# Altium PCB as14120_all_1.PcbDoc (part 1 of 2)
Units mm, origin at the board's own origin, x right, y up, seen from the top; angles counter-clockwise.
Board outline 130 x 100 mm, 6 copper layers (Top Layer, GND1, Signal_Power, Signal_midle, GND2, Bottom Layer), stack 0.963 mm thick; 374 components, 340 nets, 2183 pads, 100 vias.
Unrouted connection lines stored in the file: 951.
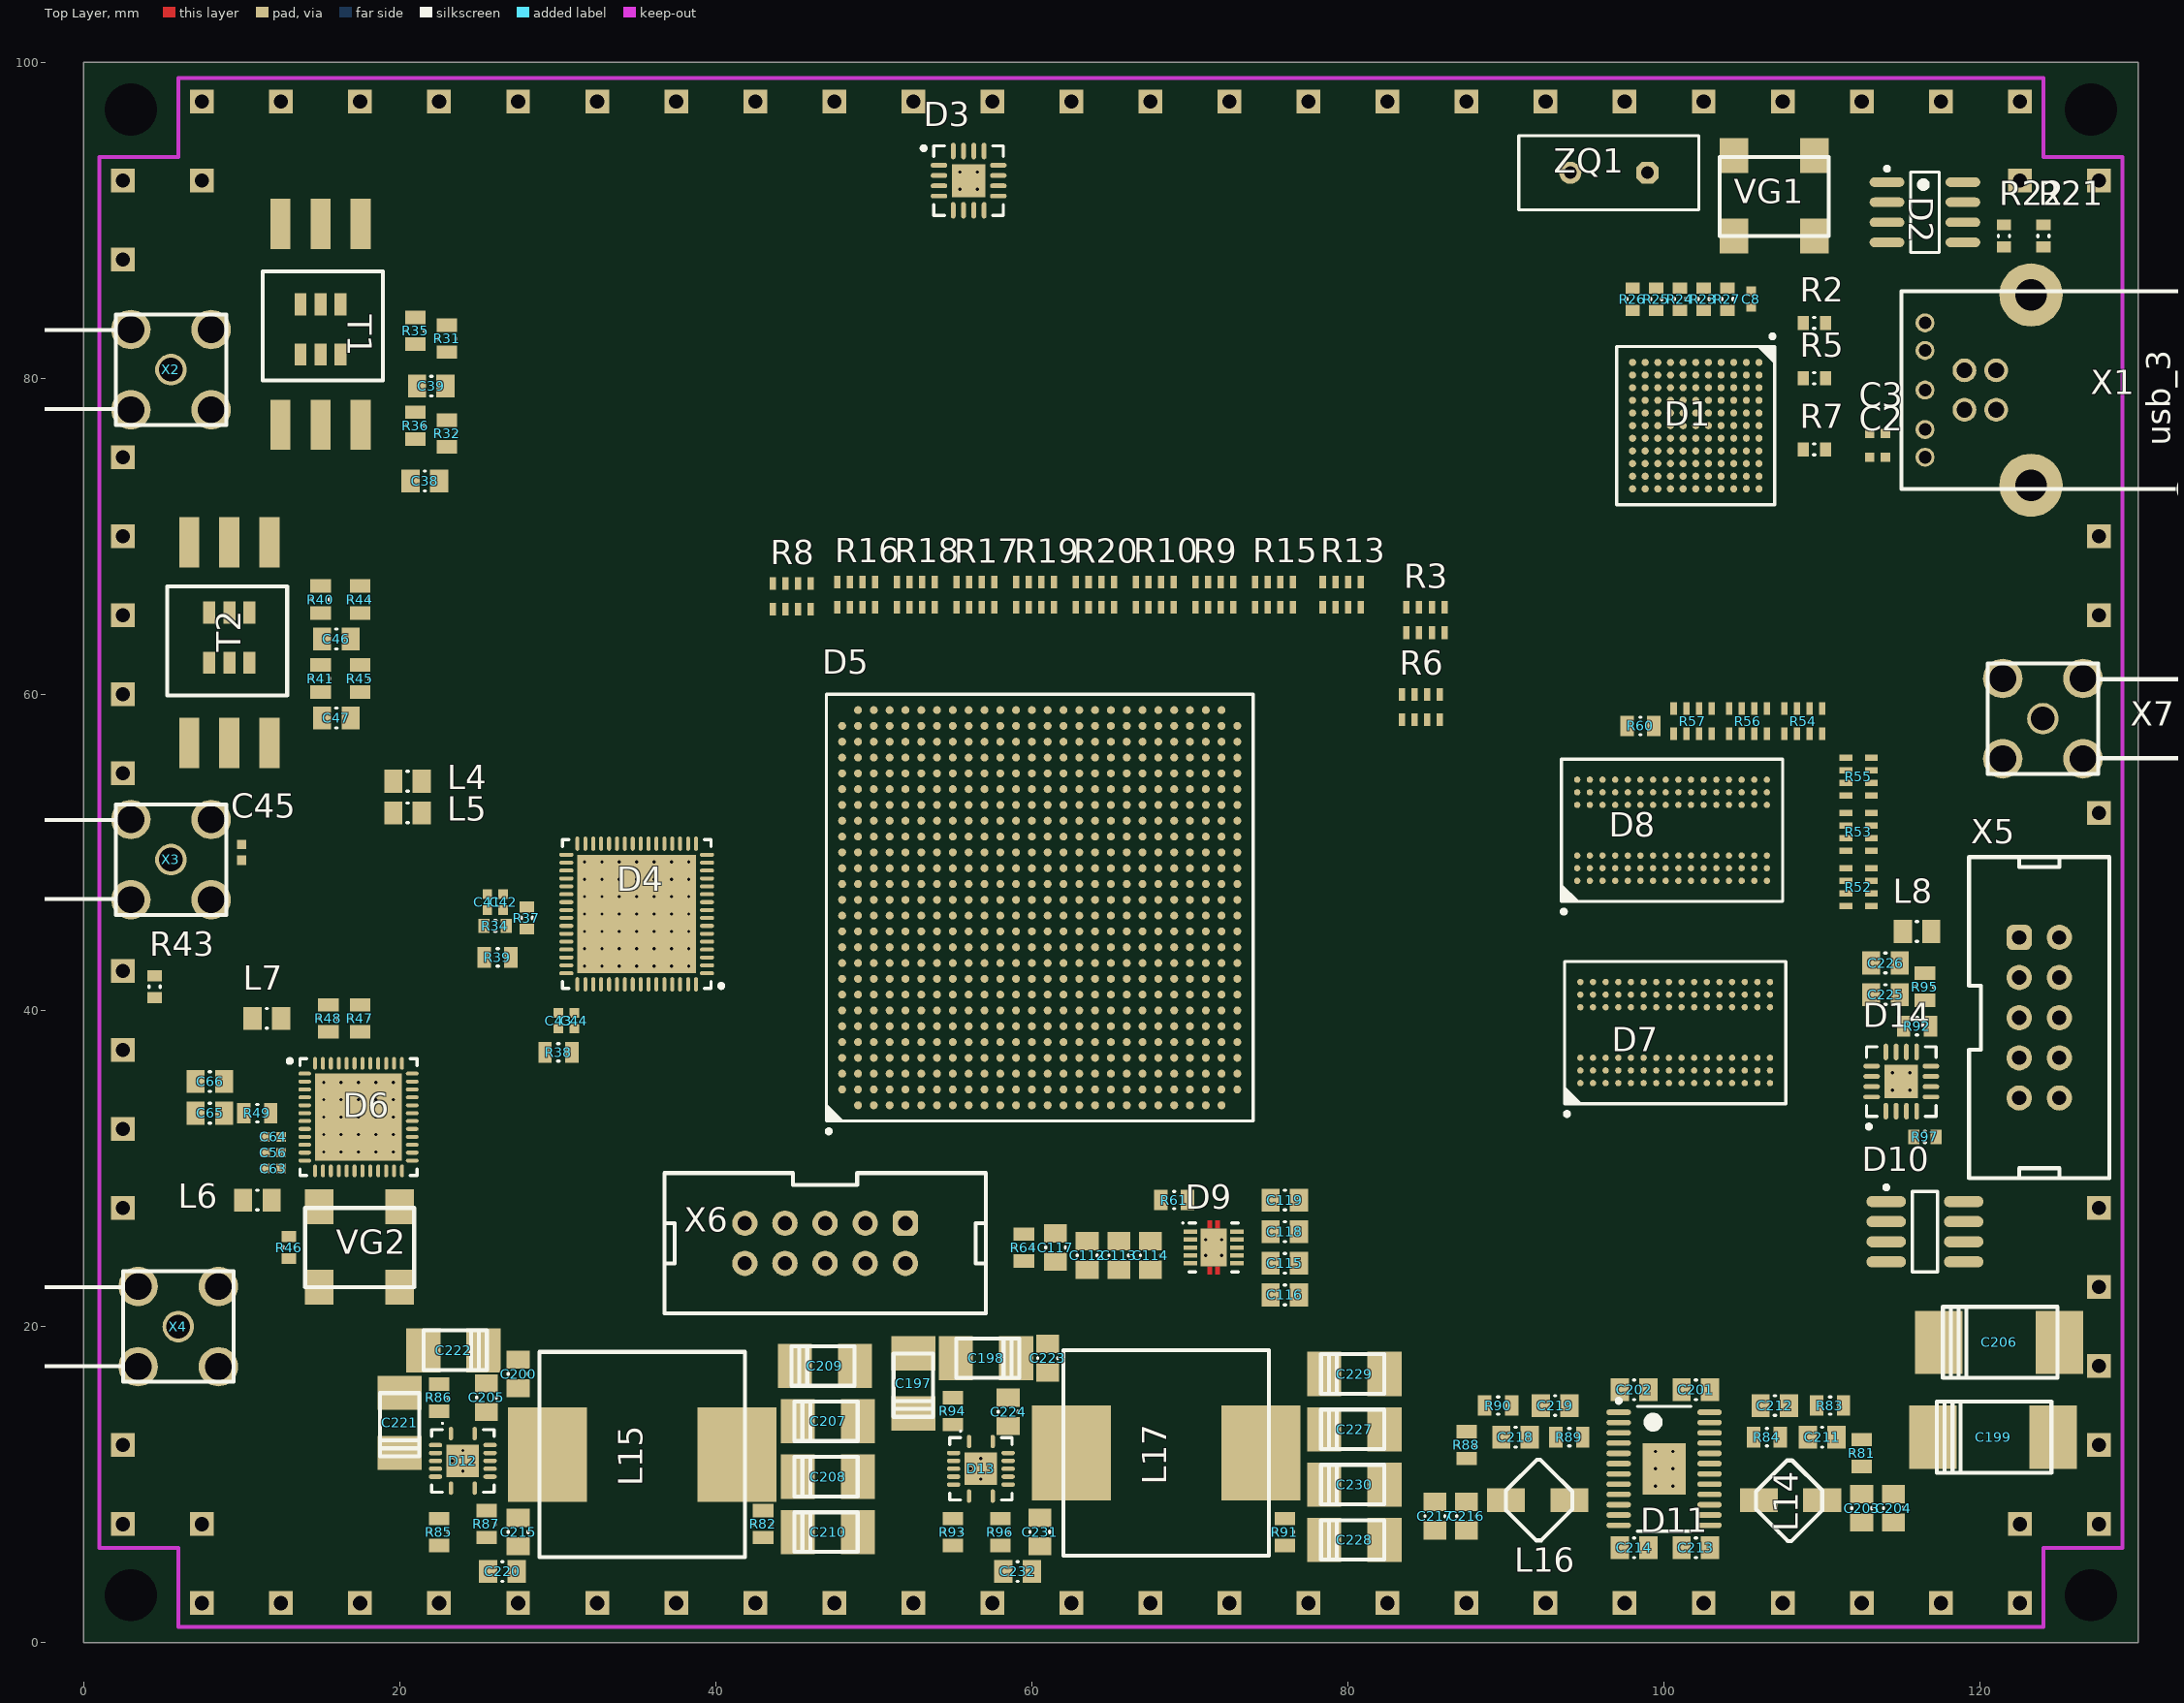
[diagram p0: Top Layer view]
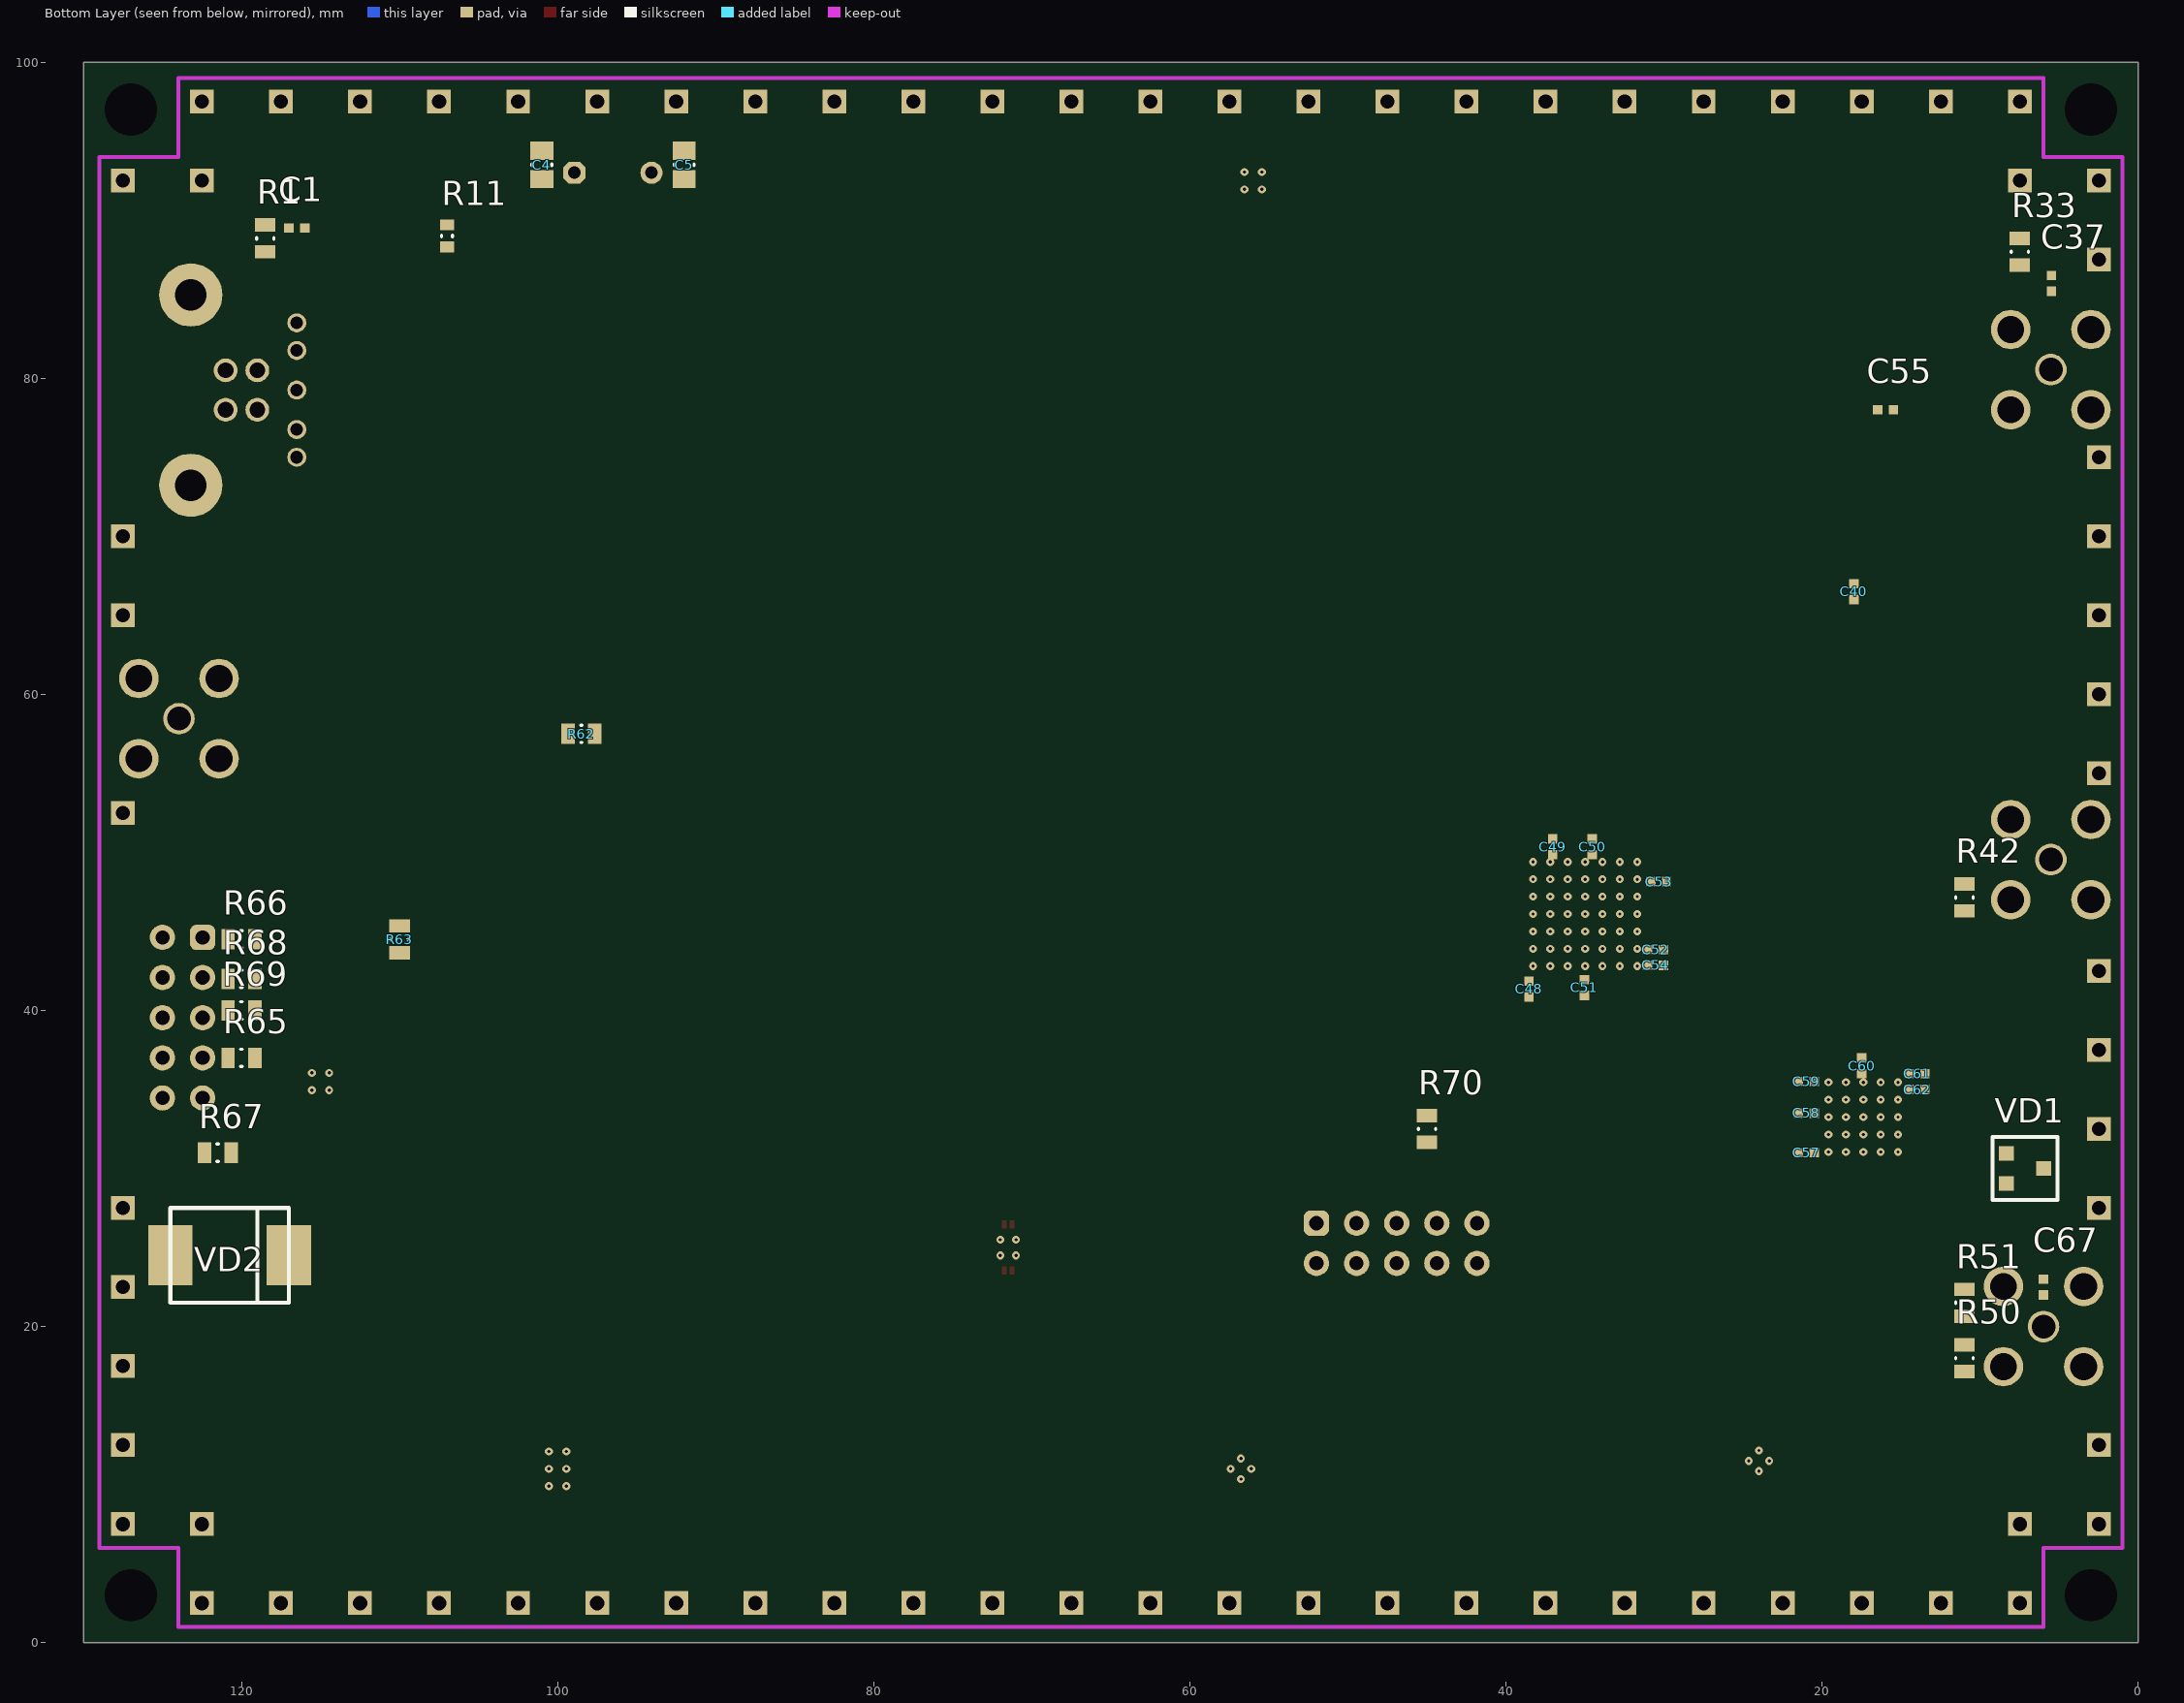
[diagram p1: Bottom Layer view, seen from below]
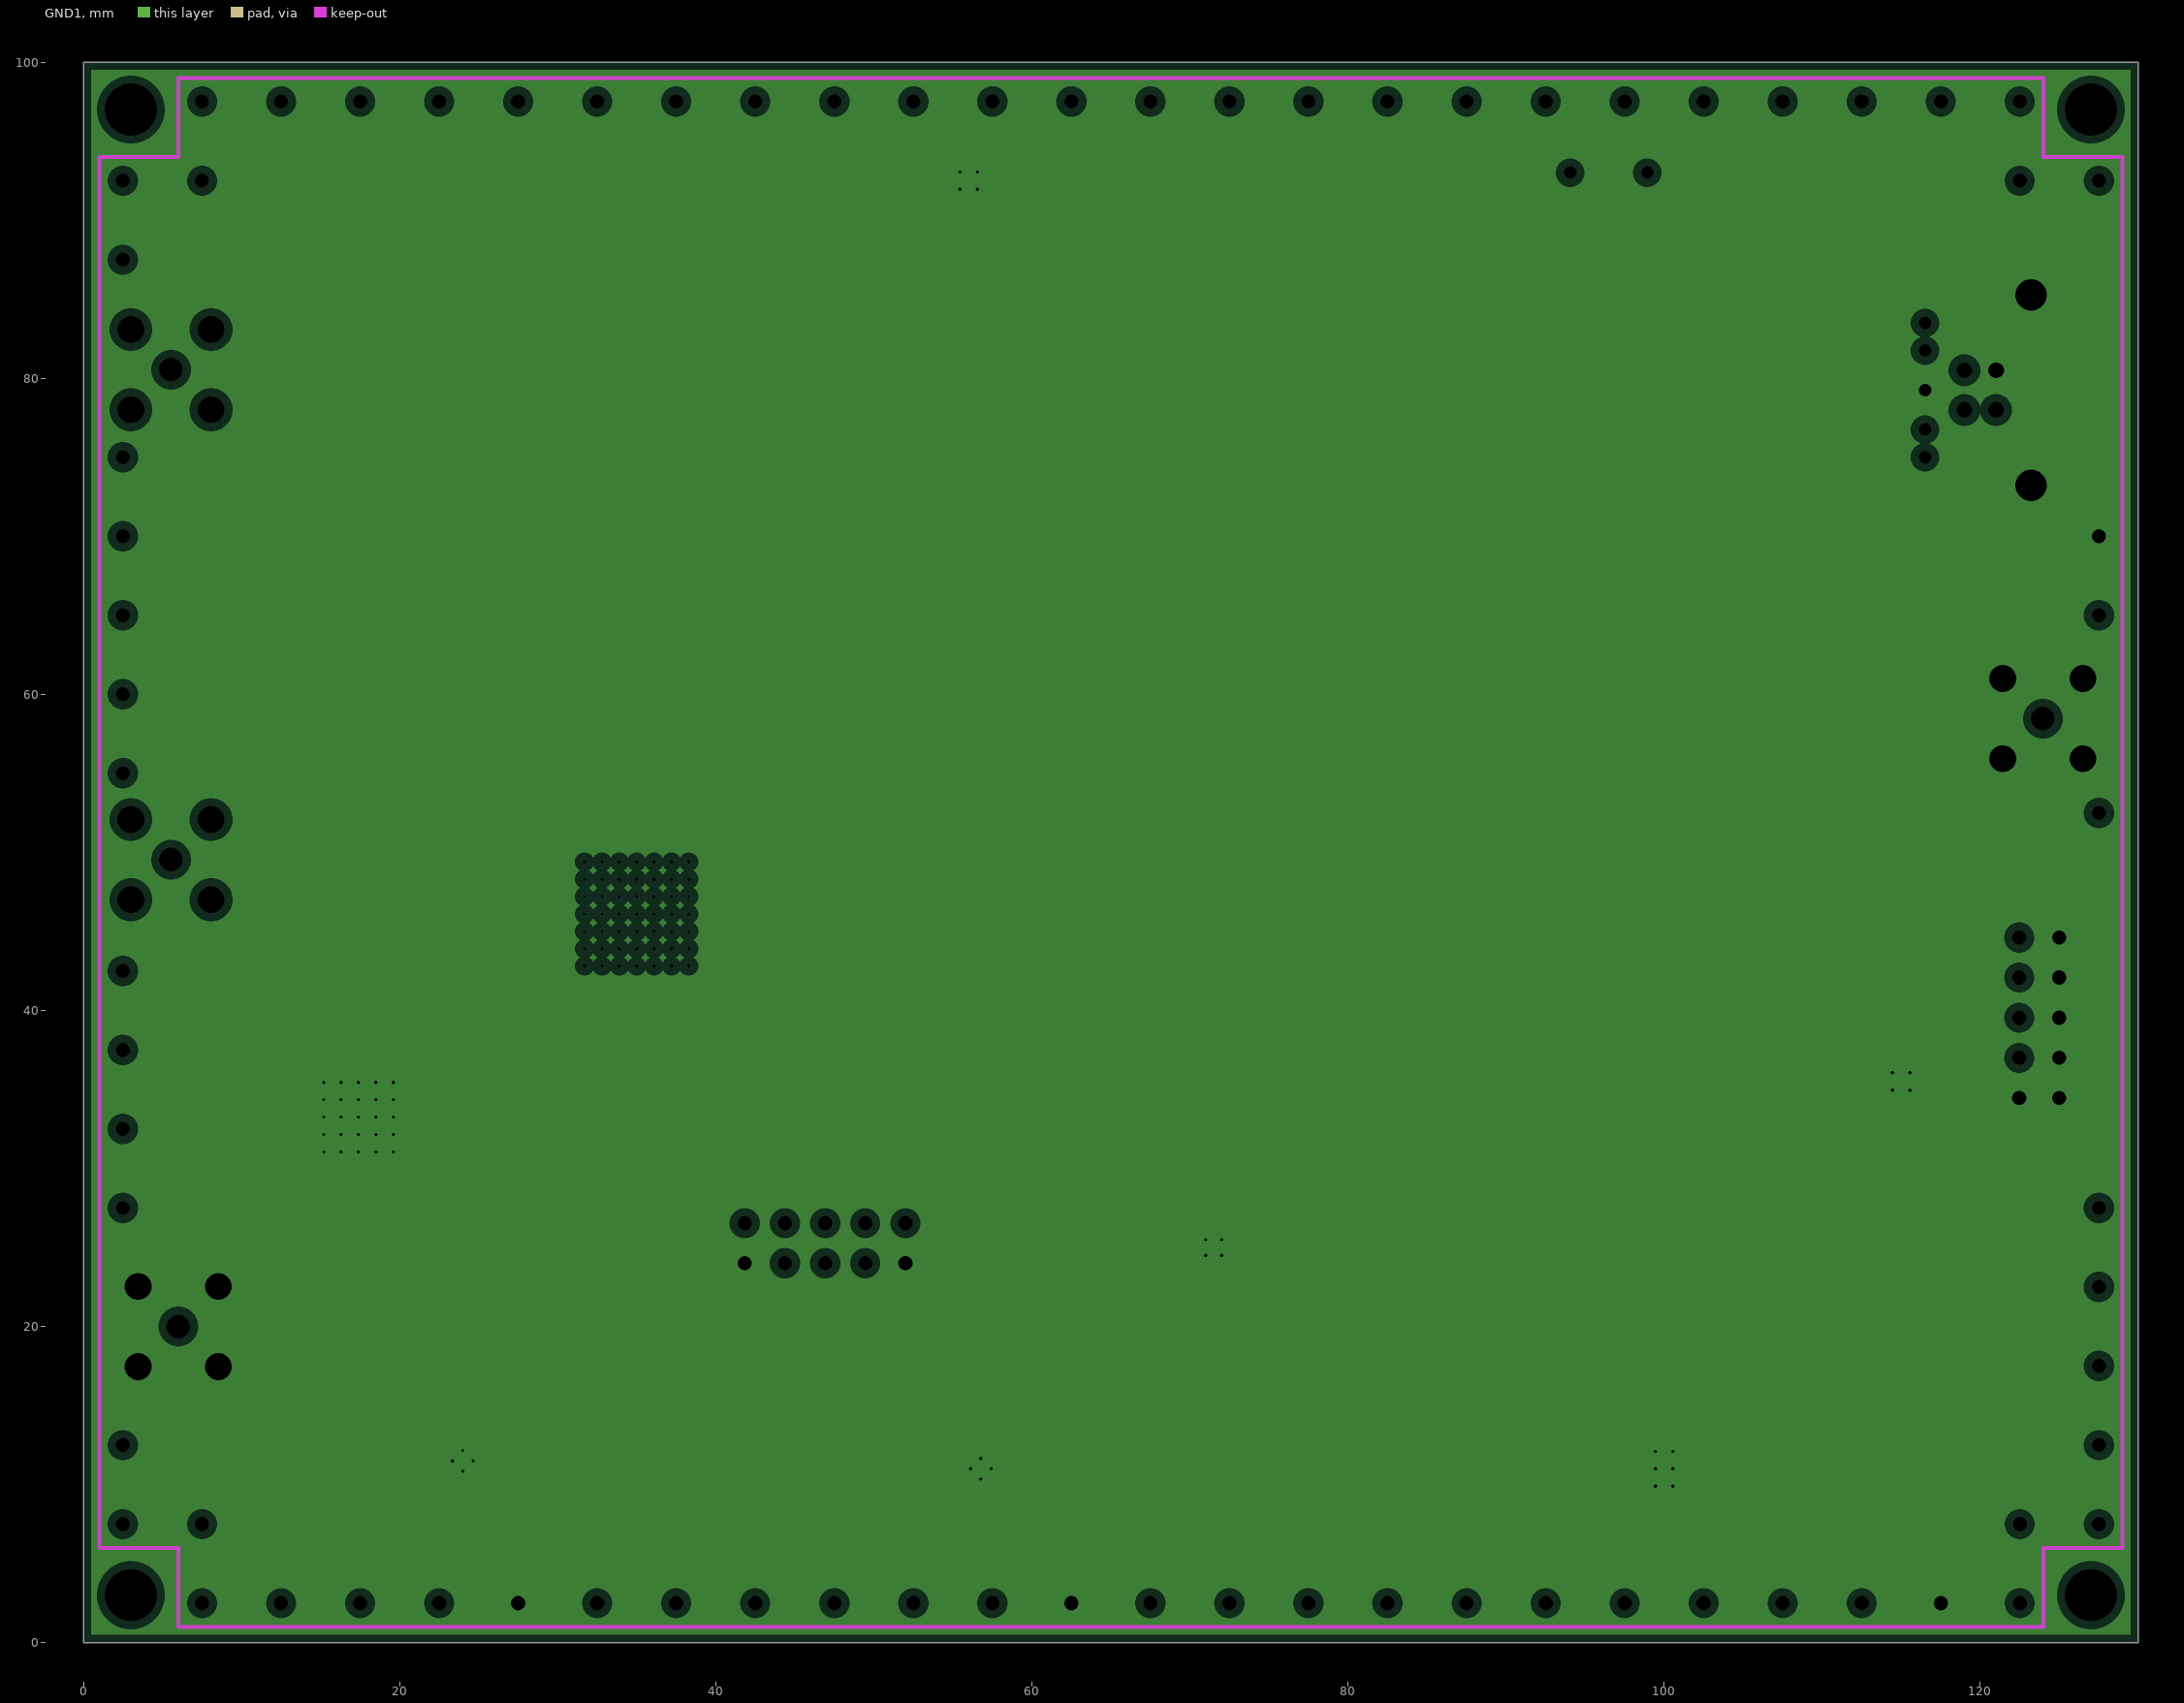
[diagram p2: GND1, clearances drawn from the general rule]